# Altium PCB norbi_lm_#1.PcbDoc (part 2 of 5)
Units mm, origin at the board's own origin, x right, y up, seen from the top; angles counter-clockwise.
Board outline 96.19 x 90.47 mm, 6 copper layers (Top Layer, Power Layer, Signal Layer 1, GND Plane, Signal Layer 2, Bottom Layer), stack 1.48 mm thick; 437 components, 338 nets, 1855 pads, 1136 vias.
Unrouted connection lines stored in the file: 190.
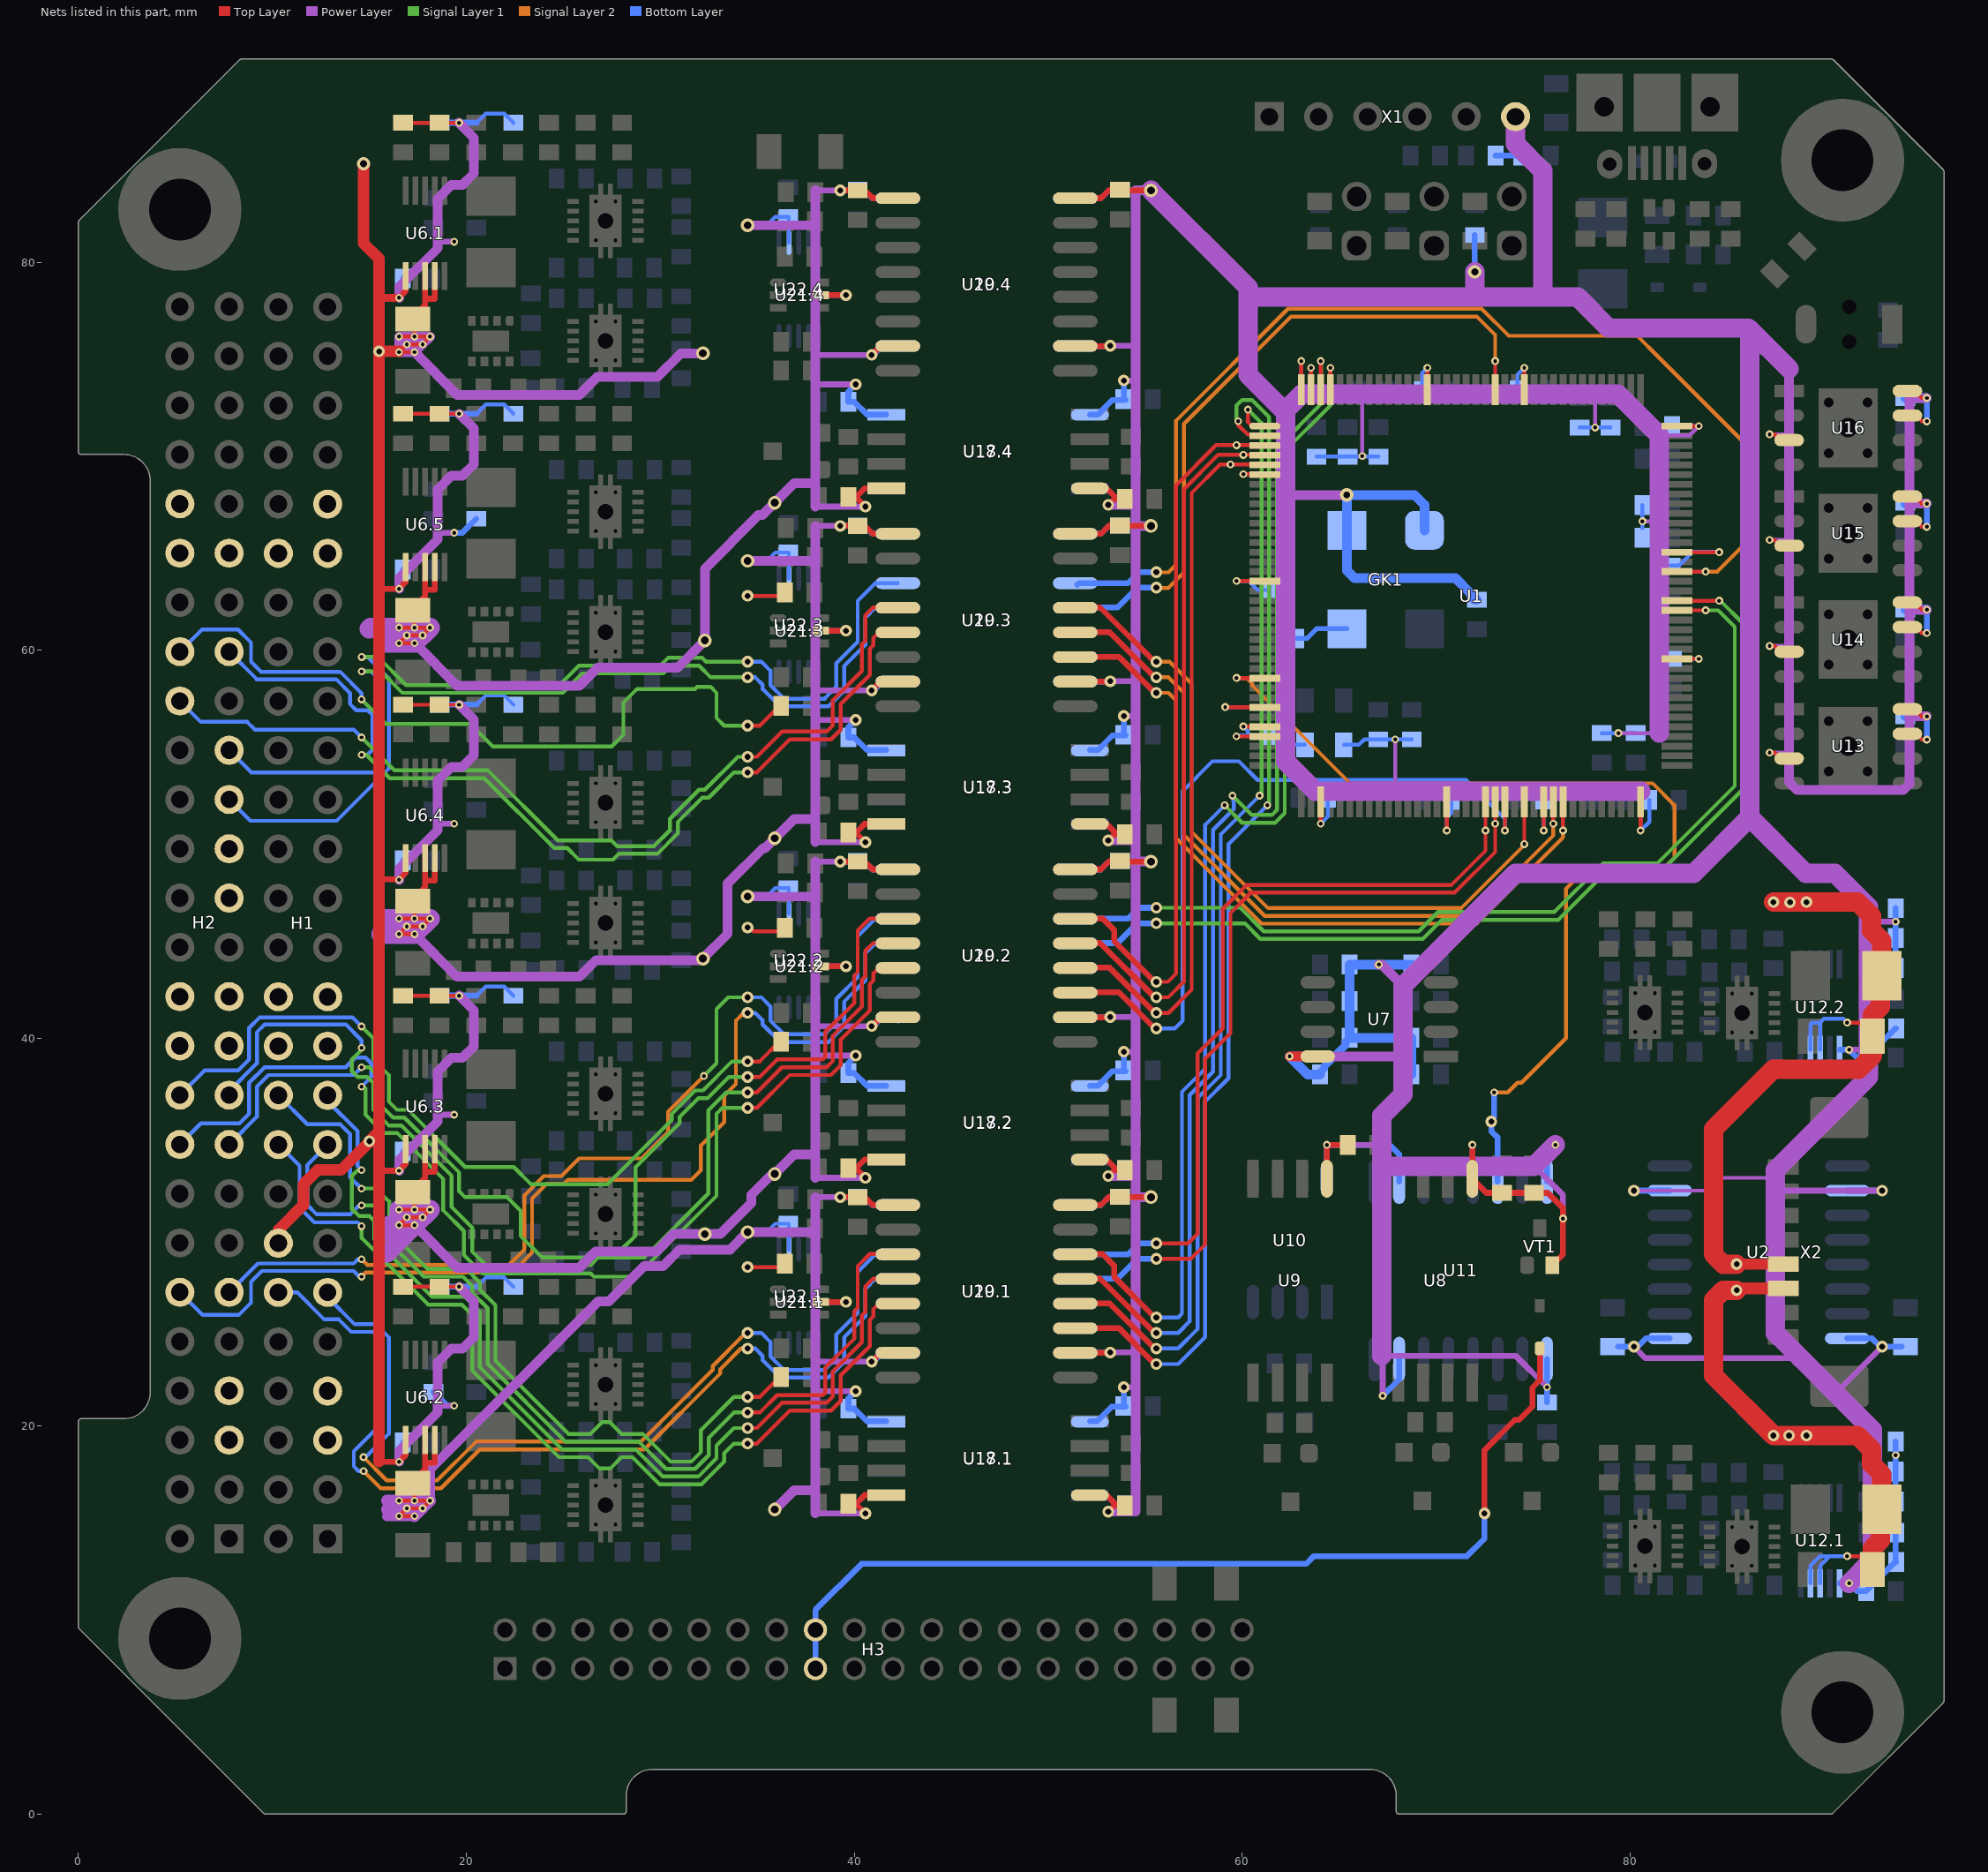
[diagram p6: the nets of this part, all layers, seen from the top]

## Footprints (in the part's own frame and the unit in brackets; to place one, negate y for a bottom-side part, rotate by r counter-clockwise, add the part's x,y. Pads: shape width x height; smd on the part's side, far side on the other; paste and mask are expansions set on the pad) (continued)
VSON-10 [mm] "VSON, 10-Leads, Body 3,00x3,00mm, Pitch 0,50mm, Thermal Pad 1,65x2,40mm"
  rect 0.6x0.25 smd: 1(0,0) 2(0,-0.5) 3(0,-1) 4(0,-1.5) 5(0,-2) 6(3.35,-2) 7(3.35,-1.5) 8(3.35,-1) 9(3.35,-0.5) 10(3.35,0)
  round 0.5 hole 0.2: TP(1.167,0) TP(1.167,-2) TP(2.183,0) TP(2.183,-2)
  rect 0.25x0.6 smd: TP(1.425,0.625) TP(1.425,-2.625) TP(1.925,0.625) TP(1.925,-2.625)
  round 1.2 hole 0.8: TP(1.675,-1)
  rect 1.65x2.7 smd: TP(1.675,-1)
  silkscreen extent -0.8,-2.7 3.37,0.7, body extent 0.12,-2.56 3.23,0.56, height 1
VSSOP-8 [mm] "Small Outline Package, 8-pin, 3x3mm, 1.1mm height"
  rrect50% 1.45x0.3 smd: 1(-2.2,1)
  rect 1.45x0.3 smd: 2(-2.2,0.5) 3(-2.2,0) 4(-2.2,-0.5) 5(-2.2,-1) 6(2.2,-1) 7(2.2,-0.5) 8(2.2,0) 9(2.2,0.5) 10(2.2,1)
  silkscreen extent -2.32,-1.55 1.15,1.83, body extent -2.45,-1.55 2.45,1.55, height 1.1

## Part data
C1 C2 C3 C4 C5 C6 C7 C8 C9 C10 C11 C12 C13 C14 C15 C16 C17 C18 C19 C20 C21.1 C21.2 C21.3 C21.4 C21.5 C22.1 C22.2 C22.3 C22.4 C22.5 C23.1 C23.2 C23.3 C23.4 C23.5 C24.1 C24.2 C24.3 C24.4 C24.5 C25.1 C25.2 C25.3 C25.4 C25.5 C26.1 C26.2 C26.3 C26.4 C26.5 C28.1 C28.2 C28.3 C28.4 C28.5 C29.1 C29.2 C29.3 C29.4 C29.5 C30 C31 C32 C33 C34 C35 C36 C37 C38.1 C38.2 C39.1 C39.2 C40.1 C40.2 C41.1 C41.2 C42.1 C42.2 C44.1 C44.2 C45 C46 C47 C48 C49.1 C49.2 C49.3 C49.4 C50.1 C50.2 C50.3 C50.4 C51.1 C51.2 C51.3 C51.4 C52.1 C52.2 C52.3 C52.4 C53.1 C53.2 C53.3 C53.4 C54.1 C54.2 C54.3 C54.4 C55.1 C55.2 C55.3 C55.4 C56.1 C56.2 C56.3 C56.4 C57.1 C57.2 C57.3 C57.4 C59 C60 C61 C62: library part C_smd, "Конденсатор для поверхностного монтажа", Назначение=Чип-конденсатор, Наименование="К10-79 МП0 «ВП»", Потребление, Вт=0
C27.1 C27.2 C27.3 C27.4 C27.5 C43.1 C43.2 C58: library part C_pol_smd, "Поляризованный конеднсатор для поверхностного монтажа", Назначение="Поляризованный чип-конденсатор", Наименование="К53-68 «ВП»", Потребление, Вт=0
D4 D5: library part PESD5V0S, "Low capacitance bidirectional ESD protection diodes", Назначение="ESD защитные диоды", Наименование=PESD5V0S1BA, Потребление, Вт=0,000
GK1: library part "Crystall Oscillator", Назначение="Кварцевый генератор 7x5мм 20 МГц", Наименование=VCC1-B3B-10M, Потребление, Вт=0,01
H1 H2: "Elevated socket, dual-row, 26-pin per row", Назначение="Сквозной разъем, двойно, 52 контакта, шаг 2,54 мм", Наименование=ESQ-126-39-G-D, Потребление, Вт=0,00
H3: library part HDR2X20, "Header, 20-Pin, Dual row, Right Angle", Назначение="Header, 20-Pin, Dual row, Right Angle", Наименование=PLD2-40, Потребление, Вт=0,0
L1 L2 L3 L5: library part L_smd, "Индуктивность для поверхностнгого монтажа", Назначение=Чип-индуктивность, Наименование=Индуктивность, Потребление, Вт=0,010
L4: library part ACM2012_USB_CM_FILTER, "USB common mode filter", Назначение="Связанная индуктивность", Наименование=ACM2012-900-2P, Потребление, Вт=0,001
R0 R1 R2 R3 R4 R5 R6 R7 R8 R9 R10 R11 R12 R13 R14 R15 R16 R17 R18 R19 R21.1 R21.2 R21.3 R21.4 R21.5 R22.1 R22.2 R22.3 R22.4 R22.5 R23.1 R23.2 R23.3 R23.4 R23.5 R24.1 R24.2 R24.3 R24.4 R24.5 R25.1 R25.2 R25.3 R25.4 R25.5 R26.1 R26.2 R26.3 R26.4 R26.5 R27.1 R27.2 R27.3 R27.4 R27.5 R28.1 R28.2 R28.3 R28.4 R28.5 R29.1 R29.2 R29.3 R29.4 R29.5 R30.1 R30.2 R30.3 R30.4 R30.5 R31.1 R31.2 R31.3 R31.4 R31.5 R32.1 R32.2 R32.3 R32.4 R32.5 R33.1 R33.2 R33.3 R33.4 R33.5 R34.1 R34.2 R34.3 R34.4 R34.5 R35.1 R35.2 R35.3 R35.4 R35.5 R36.1 R36.2 R36.3 R36.4 R36.5 R37.1 R37.2 R37.3 R37.4 R37.5 R38.1 R38.2 R38.3 R38.4 R38.5 R39.1 R39.2 R39.3 R39.4 R39.5 R40.1 R40.2 R40.3 R40.4 R40.5 R41.1 R41.2 R41.3 R41.4 R41.5 R42.1 R42.2 R42.3 R42.4 R42.5 R43 R44 R45 R46 R47 R48 R49 R50 R51 R52 R53.1 R53.2 R54.1 R54.2 R55.1 R55.2 R56.1 R56.2 R57.1 R57.2 R58.1 R58.2 R59.1 R59.2 R60.1 R60.2 R61.1 R61.2 R62.1 R62.2 R63.1 R63.2 R64.1 R64.2 R65.1 R65.2 R66.1 R66.2 R67.1 R67.2 R68.1 R68.2 R68.3 R68.4 R69.1 R69.2 R69.3 R69.4 R70.1 R70.2 R70.3 R70.4 R71.1 R71.2 R71.3 R71.4 R72.1 R72.2 R72.3 R72.4 R73.1 R73.2 R73.3 R73.4 R74.1 R74.2 R74.3 R74.4 R75.1 R75.2 R75.3 R75.4 R76.1 R76.2 R76.3 R76.4 R77.1 R77.2 R77.3 R77.4 R78 R79: library part R_smd, "Резистор для поверхностного монтажа", Потребление, Вт=0,001
  R0 R1 R2 R3 R4 R5 R6 R7 R8 R9 R10 R11 R12 R13 R14 R15 R16 R17 R18 R19 R21.1 R21.2 R21.3 R21.4 R21.5 R22.1 R22.2 R22.3 R22.4 R22.5 R23.1 R23.2 R23.3 R23.4 R23.5 R24.1 R24.2 R24.3 R24.4 R24.5 R25.1 R25.2 R25.3 R25.4 R25.5 R26.1 R26.2 R26.3 R26.4 R26.5 R27.1 R27.2 R27.3 R27.4 R27.5 R28.1 R28.2 R28.3 R28.4 R28.5 R29.1 R29.2 R29.3 R29.4 R29.5 R31.1 R31.2 R31.3 R31.4 R31.5 R32.1 R32.2 R32.3 R32.4 R32.5 R33.1 R33.2 R33.3 R33.4 R33.5 R34.1 R34.2 R34.3 R34.4 R34.5 R35.1 R35.2 R35.3 R35.4 R35.5 R36.1 R36.2 R36.3 R36.4 R36.5 R37.1 R37.2 R37.3 R37.4 R37.5 R38.1 R38.2 R38.3 R38.4 R38.5 R39.1 R39.2 R39.3 R39.4 R39.5 R40.1 R40.2 R40.3 R40.4 R40.5 R41.1 R41.2 R41.3 R41.4 R41.5 R42.1 R42.2 R42.3 R42.4 R42.5 R43 R44 R45 R46 R47 R48 R49 R50 R51 R52 R53.1 R53.2 R54.1 R54.2 R55.1 R55.2 R56.1 R56.2 R57.1 R57.2 R58.1 R58.2 R59.1 R59.2 R60.1 R60.2 R62.1 R62.2 R63.1 R63.2 R64.1 R64.2 R65.1 R65.2 R66.1 R66.2 R67.1 R67.2 R68.1 R68.2 R68.3 R68.4 R69.1 R69.2 R69.3 R69.4 R70.1 R70.2 R70.3 R70.4 R71.1 R71.2 R71.3 R71.4 R72.1 R72.2 R72.3 R72.4 R73.1 R73.2 R73.3 R73.4 R74.1 R74.2 R74.3 R74.4 R75.1 R75.2 R75.3 R75.4 R76.1 R76.2 R76.3 R76.4 R77.1 R77.2 R77.3 R77.4 R78 R79: Назначение=Чип-резистор, Наименование="Р1-12-0.125 ОСМ"
  R30.1 R30.2 R30.3 R30.4 R30.5 R61.1 R61.2: Назначение="Чип-резистор токоизмерительный", Наименование=PE1206DRM470R015L
SW1: library part Push_Button, Назначение="Push button", Наименование=TVAF06, Потребление, Вт=0,001
U1: library part STM32F405ZGT, "ARM Cortex-M4 32-bit MCU+FPU, 210 DMIPS, 1024 kB Flash, 192 kB Internal RAM, 114 I/Os, 144-pin LQFP, -40 to 105 degC, Tray", ComponentLink1Description=Datasheet, ComponentLink1URL=http://www.st.com/st-web-ui/static/active/en/resource/technical/document/datasheet/DM00037051.pdf, Назначение="ARM Cortex-M4 32-bit MCU+FPU", Наименование=STM32F405ZGT7
U2 U11 U19.1 U19.2 U19.3 U19.4 U20.1 U20.2 U20.3 U20.4: "Quad Channel Digital Isolator, 2.5 KV rms Insulation Rating", Назначение="4-канальный цифровой изолятор", Потребление, Вт=0,025
  U2 U11: Наименование=ADuM1402
  U19.1 U19.2 U19.3 U19.4 U20.1 U20.2 U20.3 U20.4: Наименование=ADuM1400
U3.1 U3.2 U3.3 U3.4 U3.5 U4.1 U4.2 U4.3 U4.4 U4.5 U23.1 U23.2 U24.1 U24.2: library part TPS259261, "Simple 5-V/12-V eFuse Protection Switches", ComponentLink1Description=Datasheet, ComponentLink1URL=http://www.ti.com/lit/ds/symlink/tps25925.pdf, Назначение="Simple 5-V/12-V eFuse Protection Switches", Наименование=TPS259261DR, Потребление, Вт=0,001
U5.1 U5.2 U5.3 U5.4 U5.5: "17-V Input 3-A Step-Down Converter MicroSiP™ Module with Integrated Inductor", ComponentLink1Description="Data sheet", ComponentLink1URL=http://www.ti.com/lit/ds/symlink/tps82130.pdf, Назначение="17-V Input 3-A Step-Down Converter MicroSiP™ Module with Integrated Inductor", Наименование=TPS82130, Потребление, Вт=1,0
U6.1 U6.2 U6.3 U6.4 U6.5: "High- or Low-Side Measurement, Bidirectional Current and Power Monitor With I2C Interface", ComponentLink1Description="Data sheet", ComponentLink1URL=http://www.ti.com/lit/ds/symlink/ina226.pdf, Назначение="High-Side or Low-Side Measurement,", Наименование=INA226, Потребление, Вт=0,001
U7: "TMP1075 Temperature Sensor With I2C and SMBus Interface", ComponentLink1Description=Datasheet, ComponentLink1URL=http://www.ti.com/lit/ds/symlink/tmp1075.pdf, Назначение="Датчик температуры I2C", Наименование=TMP1075DR, Потребление, Вт=0,001
U8 U9 U17.1 U17.2 U17.3 U17.4 U18.1 U18.2 U18.3 U18.4: "Isolated CAN Transceiver", Назначение="Изолированный CAN приемник", Наименование=ISO1042DWV, Потребление, Вт=0,001
U10: library part ISO154x, "Low-Power Bidirectional I2C Isolators", Назначение="Low-Power Bidirectional I2C Isolators", Наименование=ISO1540D, Потребление, Вт=0,001
U12.1 U12.2: library part INA226, "High- or Low-Side Measurement, Bidirectional Current and Power Monitor With I2C Interface", ComponentLink1Description="Data sheet", ComponentLink1URL=http://www.ti.com/lit/ds/symlink/ina226.pdf, Назначение="High-Side or Low-Side Measurement,", Наименование=INA226, Потребление, Вт=0,001
U13 U14 U15 U16: library part FM25V, "2Mb Serial 3V FRAM Memory", ComponentLink1Description=Datasheet, ComponentLink1URL=https://www.cypress.com/file/136456/download, Назначение="2Mb Serial 3V FRAM Memory", Наименование=FM25V20, Потребление, Вт=0,009
U21.1 U21.2 U21.3 U21.4: library part NC7SZ57, "Universal Configurable 2-Input / Logic Gates", Назначение="Universal Configurable 2-Input", Наименование=NC7SZ57P6X, Потребление, Вт=0,001
U22.1 U22.2 U22.3 U22.4: library part ADCMP395, "Dual Comparators with Accurate Reference Output", ComponentLink1Description=Datasheet, ComponentLink1URL=https://www.analog.com/en/products/adcmp395.html, Назначение="Dual Comparators with Accurate Reference Output", Наименование=ADCMP395ARMZ, Потребление, Вт=0,001
V1 V2 V3.1 V3.2 V3.3 V3.4 V4.1 V4.2 V4.3 V4.4: "CAN bus ESD protection diode", Назначение="Защитная диодная сборка CAN-шины от ЭСР", Наименование=PESD2CAN, Потребление, Вт=0,001
VD1: library part BAT60A, "Diod 150 mA 100V", Назначение="Диод 150мА 100В", Наименование=1N4148WS, Потребление, Вт=0,001
VD2: library part BAT60A, "Schottky diode", Назначение="Schottky diode", Наименование=MBR0540, Потребление, Вт=0,001
VT1: "Digital Transistor (resistor-equipped transistors), R1=R2=2k, PNP Transistor, 3-Pin SC-70", ComponentLink1Description=Datasheet, ComponentLink1URL=https://assets.nexperia.com/documents/data-sheet/PDTC114E_SER.pdf, Назначение="Resistor-equipped transistors, R1=R2=2k, PNP Transistor, 3-Pin SC-70", Наименование=PDTA123JU, Потребление, Вт=0,001
VT2: "Digital Transistor (BRT), R1=4.7 kOhm, R2=47 kOhm, NPN Transistor, 3-Pin", ComponentLink1Description=Datasheet, ComponentLink1URL=https://assets.nexperia.com/documents/data-sheet/PDTC114E_SER.pdf, Назначение="Digital Transistor (BRT), R1=4.7 kOhm, R2=47 kOhm, NPN Transistor, 3-Pin", Наименование=PDTC143ZT, Потребление, Вт=0,001
X1: "Header, 6-Pin", LatestRevisionDate=17-Jul-2002, LatestRevisionNote="Re-released for DXP Platform.", Publisher="Altium Limited", Назначение="Отладочный разъем", Наименование=PLS-6
X2: "MOLEX PicoBlade 8-pin", Назначение="MOLEX PicoBlade 8-pin to board", Наименование=MOLEX-PB-8-R, Потребление, Вт=0,001
X3: library part MicroUSB, "USB mico-BF", Назначение="Разъем на плату", Наименование=Micro-BF
D1 D2 D3: Назначение=Светодиод, Наименование=SMD-LED, Потребление, Вт=0,01

## Free pads (board coordinates)
  round 6.35 hole 3.18: 1(5.23,9.055) 1(5.23,82.715) 1(90.96,5.245) 1(90.96,85.255)

## Via types
v1: diameter 0.4, hole 0.2, Top Layer to Bottom Layer, tented both sides, 743 vias
v2: diameter 0.6, hole 0.3, Top Layer to Bottom Layer, 343 vias
v3: diameter 0.7, hole 0.4, Top Layer to Bottom Layer, 16 vias
v4: diameter 0.5, hole 0.2, Top Layer to Bottom Layer, 10 vias
v5: diameter 0.7, hole 0.35, Top Layer to Bottom Layer, 7 vias
v6: diameter 1.1, hole 0.8, Top Layer to Bottom Layer, 5 vias
v7: diameter 1.3, hole 0.85, Top Layer to Bottom Layer, 4 vias
v8: diameter 1, hole 0.7, Top Layer to Bottom Layer, 2 vias
v9: diameter 0.5, hole 0.3, Top Layer to Bottom Layer, 2 vias
v10: diameter 4.5, hole 3, Top Layer to Bottom Layer, 2 vias
v11: diameter 0.6, hole 0.4, Top Layer to Bottom Layer, 1 vias
v12: diameter 1.2, hole 0.8, Top Layer to Bottom Layer, 1 vias

## Nets (pads, with @x,y where several pads share a name; then routed paths per layer and width w, separated by ;. In a path a pad name is that pad's centre, name@x,y a point inside that pad or via, vN(x,y) a via of type N, cw(c..) or ccw(c..) an arc to the next point about the centre after c; other vN are vias at no path point)
3V3: C4.2 C5.2 C6.2 C7.2 C9.2 C10.2 C11.2 C12.2 C13.2 C14.2 C15.2 C16.2 C17.2 C18.2 C19.2 C20.2 C29.1.2 C29.2.2 C29.3.2 C29.4.2 C29.5.2 C30.2 C32.2 C33.2 C36.2 C37.2 C44.1.2 C44.2.2 C45.2 C46.2 C47.2 C48.2 C49.1.2 C49.2.2 C49.3.2 C49.4.2 C50.1.2 C50.2.2 C50.3.2 C50.4.2 C53.1.2 C53.2.2 C53.3.2 C53.4.2 C56.1.2 C56.2.2 C56.3.2 C56.4.2 GK1.1 GK1.4 H1.14 L1.1 R5.1 R6.1 R8.2 R9.1 R10.1 R11.1 R12.1 R13.1 R14.1 R15.1 R16.1 R30.1.1 R34.1.2 R34.2.2 R34.3.2 R34.4.2 R34.5.2 R35.1.2 R35.2.2 R35.3.2 R35.4.2 R35.5.2 R36.1.2 R36.2.2 R36.3.2 R36.4.2 R36.5.2 R39.2.1 R40.5.1 R41.1.2 R41.2.2 R41.3.2 R41.4.2 R41.5.2 R43.2 R44.2 R45.2 R46.1 R48.1 R49.1 R62.1.2 R62.2.2 R63.1.2 R63.2.2 R64.1.2 R64.2.2 R66.1.1 R67.1.1 R67.2.1 R69.1.1 R69.2.1 R69.3.1 R69.4.1 U1.6 U1.17 U1.30 U1.39 U1.52 U1.62 U1.72 U1.84 U1.95 U1.108 U1.121 U1.131 U1.143 U1.144 U2.1 U2.7 U2.10 U2.16 U6.1.6 U6.1.8 U6.1.9 U6.2.6 U6.3.6 U6.4.6 U6.5.6 U7.8 U8.1 U9.1 U10.8 U11.1 U11.7 U11.10 U11.16 U12.1.6 U12.2.6 U13.3 U13.7 U13.8 U14.3 U14.7 U14.8 U15.3 U15.7 U15.8 U16.3 U16.7 U16.8 U17.1.1 U17.2.1 U17.3.1 U17.4.1 U18.1.1 U18.2.1 U18.3.1 U18.4.1 U19.1.1 U19.1.7 U19.2.1 U19.2.7 U19.3.1 U19.3.7 U19.4.1 U19.4.7 U20.1.10 U20.1.16 U20.2.10 U20.2.16 U20.3.10 U20.3.16 U20.4.10 U20.4.16 VT1.2 X1.6 | length 948.4
  Top Layer w0.2: v1(16.532,76.161) v1(17.332,76.161) ; R34.2.2@16.732,27.185 R35.2.2@18.615,27.185 v1(19.632,27.185) ; R34.3.2@16.732,42.185 R35.3.2@18.615,42.185 v1(19.632,42.185) ; R34.4.2@16.732,57.185 R35.4.2@18.615,57.185 v1(19.632,57.185) ; R34.5.2@16.732,72.185 R35.5.2@18.615,72.185 v1(19.632,72.185) ; R34.1.2@16.732,87.185 R35.1.2@18.615,87.185 v1(19.632,87.185) ; v1(17.332,75.361) v1(16.532,75.361) v1(16.932,75.761) 17.732,75.761 v1(18.132,76.161) v1(17.332,76.161) ; R30.1.1@17.478,77.012 17.332,76.865 v1(17.332,76.161) ; v1(59.126,57.066) U1.30@61.191,57.066 ; v1(59.716,63.566) U1.17@61.191,63.566 ; v1(60.066,69.066) 61.229,69.066 U1.6@61.241,69.077 ; U1.144@63.05,73.425 v1(63.05,74.9) ; U1.143@63.55,73.425 v1(63.55,74.55) ; v1(64.05,51.05) U1.39@64.05,52.175 ; U1.131@69.55,73.425 v1(69.55,74.55) ; v1(70.55,50.7) U1.52@70.55,52.175 ; U1.121@74.55,73.425 v1(74.55,74.55) ; v1(75.55,50.7) U1.62@75.55,52.175 ; v1(80.55,50.7) U1.72@80.55,52.175 ; U1.84@82.425,59.55 v1(83.55,59.55) ; U1.95@82.425,65.05 v1(84.6,65.05) ; U1.108@82.425,71.55 v1(83.55,71.55) ; v1(87.2,54.715) 87.459,54.715 87.759,54.415 U13.3@88.204,54.415 ; v1(87.2,60.215) 87.459,60.215 87.759,59.915 U14.3@88.204,59.915 ; v1(87.2,65.685) 87.459,65.685 87.759,65.385 U15.3@88.204,65.385 ; v1(87.2,71.125) 87.459,71.125 87.759,70.825 U16.3@88.204,70.825 ; U13.7@94.3,55.685 94.744,55.685 95.045,55.385 v1(95.304,55.385) ; U13.8@94.3,56.955 94.674,56.955 95.044,56.585 v1(95.304,56.585) ; U14.7@94.3,61.185 94.744,61.185 95.045,60.885 v1(95.304,60.885) ; U14.8@94.3,62.455 94.674,62.455 95.044,62.085 v1(95.304,62.085) ; U15.7@94.3,66.655 94.744,66.655 95.045,66.355 v1(95.304,66.355) ; U15.8@94.3,67.925 94.674,67.925 95.044,67.555 v1(95.304,67.555) ; U16.7@94.3,72.095 94.744,72.095 95.045,71.795 v1(95.304,71.795) ; U16.8@94.3,73.365 94.674,73.365 95.044,72.995 v1(95.304,72.995)
  Top Layer w0.3: 15.5,18.182 15.521,18.161 v1(16.532,18.161) 16.878,18.507 U6.2.6@16.878,19.282 ; 15.521,33.161 v1(16.532,33.161) 16.532,33.182 16.878,33.528 U6.3.6@16.878,34.282 ; 15.521,48.182 v1@16.532,48.182 ; 15.521,63.161 v1(16.532,63.161) 16.532,63.182 16.878,63.528 U6.5.6@16.878,64.282 ; v1(16.532,48.161) v1@16.532,48.182 ; v1(16.532,78.161) 16.532,78.182 16.878,78.528 U6.1.6@16.878,79.282 ; U6.4.6@16.878,49.282 16.878,48.528 v1@16.532,48.182 ; R30.1.1@17.878,77.412 17.478,77.012 17.478,77.391 17.878,77.792 17.878,78.112 ; U6.1.8@17.878,79.282 17.878,78.112 ; U6.1.9@18.378,79.282 18.378,78.112 17.878,78.112 ; U20.1.10@51.5,23.773 v2@53.2,23.773 ; U20.2.10@51.5,41.073 v2@53.2,41.073 ; U20.3.10@51.5,58.373 v2@53.2,58.373 ; U20.4.10@51.5,75.673 v2@53.2,75.673 ; U20.1.16@51.61,31.4 52.726,31.4 53.15,31.824 C53.1.2@53.7,31.824 C53.1.2@53.924,31.824 ; U20.2.16@51.61,48.7 52.726,48.7 53.15,49.124 C53.2.2@53.7,49.124 C53.2.2@53.924,49.124 ; U20.3.16@51.61,66 52.726,66 53.15,66.424 C53.3.2@53.7,66.424 C53.3.2@53.924,66.424 ; U20.4.16@51.61,83.3 52.726,83.3 53.15,83.724 C53.4.2@53.7,83.724 C53.4.2@53.924,83.724 ; U18.1.1@52.15,16.44 53.013,16.44 C49.1.2@53.553,15.9 ; U18.2.1@52.15,33.74 53.013,33.74 C49.2.2@53.553,33.2 ; U18.3.1@52.15,51.04 53.013,51.04 C49.3.2@53.553,50.5 ; U18.4.1@52.15,68.34 53.013,68.34 C49.4.2@53.553,67.8 ; v2(53.1,15.59) 53.41,15.9 C49.1.2@53.553,15.9 ; v2(53.1,32.89) 53.41,33.2 C49.2.2@53.553,33.2 ; v2(53.1,50.19) 53.41,50.5 C49.3.2@53.553,50.5 ; v2(53.1,67.49) 53.41,67.8 C49.4.2@53.553,67.8 ; C49.1.2@54,15.9 C49.1.2@53.553,15.9 ; C49.2.2@54,33.2 C49.2.2@53.553,33.2 ; C49.3.2@54,50.5 C49.3.2@53.553,50.5 ; C49.4.2@54,67.8 C49.4.2@53.553,67.8 ; C53.1.2@54.052,31.8 v3(55.3,31.8) ; C53.2.2@54.052,49.1 v3(55.3,49.1) ; C53.3.2@54.052,66.4 v3(55.3,66.4) ; C53.4.2@54.052,83.7 v3(55.3,83.7) ; U9.1@64.37,32.75 v1(64.37,34.5) C32.2@65.45,34.5 ; v1(71.87,34.5) U8.1@71.87,32.75 72.594,32.026 C33.2@73.4,32.026 C36.2@75.05,32.026 75.75,32.026 76.55,31.226 v1(76.55,30.7) 76.55,28.85 VT1.2@76,28.3
  Top Layer w0.4: 15.521,78.161 v1(16.532,78.161)
  Top Layer w0.5: v1(62.45,39.06) U7.8@63.9,39.06
  Top Layer w0.6: H1.14@10.31,29.43 10.31,30.11 11.6,31.4 11.6,32.46 12.347,33.207 13.546,33.207 15,34.661 v2(15,34.688) 15.5,35.188 ; v5(14.7,85.075) 14.7,80.974 15.5,80.174 v2(15.5,75.4) ; 15.5,18.182 15.5,35.188 ; v1@16.532,75.4 v2(15.5,75.4) ; 15.5,35.188 v2(15.5,75.4)
  Power Layer w0.2: v2(15.5,75.4) v2@15.539,75.361 ; v1(59.126,57.066) 62.216,57.066 62.25,57.1 ; v1(59.716,63.566) 62.216,63.566 62.25,63.6 ; v1(60.066,69.066) 62.184,69.066 62.25,69 ; v1(63.05,74.9) 63.05,73.222 63.072,73.2 ; v1(63.55,74.55) 63.55,73.25 63.6,73.2 ; 63.77,52.73 64.05,52.45 v1(64.05,51.05) ; v1(66.2,70) 66.2,73.2 ; 67.9,52.73 v1(67.9,55.4) ; 69.55,73.2 v1(69.55,74.55) ; 70.5,52.73 70.55,52.68 v1(70.55,50.7) ; 74.55,73.2 v1(74.55,74.55) ; 75.5,52.73 75.55,52.68 v1(75.55,50.7) ; 78.2,73.2 78.202,73.198 v1(78.202,71.476) ; v1(79.4,55.724) 81.515,55.724 ; v2(80.2,32.14) 84.14,32.14 84.8,32.8 87.1,32.8 ; v1(80.55,50.7) 80.55,52.73 ; v1(80.645,66.642) 81.473,66.642 81.515,66.6 ; 81.515,59.6 81.565,59.55 v1(83.55,59.55) ; 81.515,65 81.565,65.05 v1(84.6,65.05) ; 81.515,71.069 83.069,71.069 v1(83.55,71.55) ; v1(87.2,54.715) 88.185,54.715 88.2,54.7 ; v1(87.2,60.215) 88.185,60.215 88.2,60.2 ; v1(87.2,65.685) 88.185,65.685 88.2,65.7 ; v1(87.2,71.125) 88.175,71.125 88.2,71.1 ; 94.4,67.55 94.405,67.555
  Power Layer w0.3: 18.532,21.05 v1(19.378,21.05) ; 18.532,36.05 v1(19.378,36.05) ; 18.532,51.05 v1(19.378,51.05) ; 18.532,66.05 v1(19.378,66.05) ; 18.532,81.05 v1(19.378,81.05) ; v2(53.2,23.793) 54.493,23.793 54.5,23.8 ; v2(53.2,41.093) 54.493,41.093 54.5,41.1 ; v2(53.2,58.393) 54.493,58.393 54.5,58.4 ; v2(53.2,75.693) 54.493,75.693 54.5,75.7 ; v2(53.9,22) 54.5,22 ; v2(53.9,39.3) 54.5,39.3 ; v2(53.9,56.6) 54.5,56.6 ; v2(53.9,73.9) 54.5,73.9 ; v1(64.37,34.5) 67.2,34.5 ; v1(67.25,21.561) 67.25,23.575 67.2,23.625 74.095,23.625 v1(75.72,22) ; 71.87,33.4 v1(71.87,34.5) ; 75.055,33.4 76.55,31.905 v1(76.55,30.7) ; v2(80.2,24.1) 80.8,23.5 88.8,23.5 ; 87.1,32.8 87.5,33.2 ; 87.5,32.2 87.56,32.14 v2(93,32.14) ; 90.6,21.7 v2(93,24.1) ; v1(91.3,39.4) 92.3,39.4 ; 92.3,46 v1(93.7,46)
  Power Layer w0.5: v1(16.532,18.161) 16.532,18.718 18.532,20.718 18.532,21.05 18.532,23.285 19.232,23.985 19.799,23.985 20.399,24.585 20.399,26.418 v1(19.632,27.185) ; v1(16.532,33.161) 16.532,33.718 18.532,35.718 18.532,36.05 18.532,38.285 19.232,38.985 19.799,38.985 20.399,39.585 20.399,41.418 v1(19.632,42.185) ; v1(16.532,48.161) 16.532,48.718 18.532,50.718 18.532,51.05 18.532,53.285 19.232,53.985 19.799,53.985 20.399,54.585 20.399,56.418 v1(19.632,57.185) ; v1(16.532,63.161) 16.532,63.718 18.532,65.718 18.532,66.05 18.532,68.285 19.232,68.985 19.799,68.985 20.399,69.585 20.399,71.418 v1(19.632,72.185) ; v1(16.532,78.161) 16.532,78.718 18.532,80.718 18.532,81.05 18.532,83.285 19.232,83.985 19.799,83.985 20.399,84.585 20.399,86.4 v1@19.607,87.191 ; v1(17.749,75.761) v1@17.732,75.761 ; v3(32.2,75.3) 31.067,75.3 29.851,74.085 26.756,74.085 25.832,73.161 19.532,73.161 v1(17.332,75.361) ; v2(53.1,15.59) 54.5,15.59 54.5,22 54.5,23.8 54.5,31.8 ; v2(53.1,32.89) 54.5,32.89 ; v2(53.1,50.19) 54.5,50.19 ; v2(53.1,67.49) 54.5,67.49 ; v3(55.3,31.8) 54.5,31.8 ; v3(55.3,49.1) 54.5,49.1 ; v3(55.3,66.4) 54.5,66.4 ; v3(55.3,83.7) 54.5,83.7 54.5,75.7 54.5,73.9 54.5,67.49 ; 62.25,68 v5(65.4,68) ; v1(62.45,39.06) 68.26,39.06 68.3,39.1 ; v1(67.05,43.791) 67.209,43.791 68.3,42.7 ; 88.2,74.5 88.2,71.1 88.2,65.7 88.2,60.2 88.2,54.7 88.2,53.2 88.6,52.8 94.1,52.8 94.4,53.1 94.4,56.6 ; 94.405,67.555 v1(95.304,67.555) ; v1(95.304,56.585) 94.415,56.585 94.4,56.6 ; v1(95.304,62.085) 94.415,62.085 94.4,62.1 ; v1(95.304,72.995) 94.4,72.995 94.4,67.55 94.4,62.1 ; v1(16.532,76.161) v1(17.332,76.161) v1(18.132,76.161) v1@17.732,75.761 ; v1(16.532,76.161) v1(16.532,75.361) v1(17.332,75.361) ; v1(16.532,76.161) v1(16.932,75.761) v1@17.732,75.761 ; v1(17.332,75.361) v1@17.732,75.761 ; 54.5,31.8 54.5,32.89 ; 54.5,32.89 54.5,39.3 54.5,41.1 54.5,49.1 ; 54.5,49.1 54.5,50.19 ; 54.5,50.19 54.5,56.6 54.5,58.4 54.5,66.4 ; 54.5,66.4 54.5,67.49 ; 94.4,56.6 94.4,62.1
  Power Layer w1: v3(55.3,83.7) 60.3,78.7 60.3,78.2 ; 62.25,72.25 62.25,69 62.25,68 62.25,63.6 62.25,57.1 62.25,54.25 63.77,52.73 67.9,52.73 70.5,52.73 75.5,52.73 80.55,52.73 ; 67.2,23.625 67.2,33.4 ; v5(72,79.5) 72,78.2 ; X1.6@74.1,87.5 74.1,86.1 75.5,84.7 75.5,78.2 ; v1(76.155,34.5) 75.055,33.4 71.87,33.4 67.2,33.4 ; 81.515,55.724 81.515,59.6 81.515,65 81.515,66.6 81.515,71.069 79.384,73.2 78.2,73.2 74.55,73.2 69.55,73.2 66.2,73.2 63.6,73.2 63.072,73.2 62.186,72.314 60.3,74.2 60.3,78.2 ; 88.2,74.5 86.178,76.522 ; v1(91.3,11.9) 92.5,13.1 92.5,19.8 90.6,21.7 88.8,23.5 87.5,24.8 87.5,32.2 87.5,33.2 92.3,38 92.3,39.4 92.3,46 92.3,46.761 90.561,48.5 89.059,48.5 86.178,51.382 ; 60.3,78.2 72,78.2 ; 67.2,33.4 67.2,34.5 67.2,36 68.3,37.1 68.3,39.1 68.3,42.7 74.1,48.5 83.296,48.5 86.178,51.382 ; 72,78.2 75.5,78.2 ; 75.5,78.2 77.3,78.2 78.9,76.6 86.1,76.6 86.178,76.522 ; 86.178,51.382 86.178,76.522
  Bottom Layer w0.2: 20.532,27.191 21.001,27.661 21.956,27.661 R41.2.2@22.432,27.185 ; 20.532,42.191 21.001,42.661 21.956,42.661 R41.3.2@22.432,42.185 ; 20.532,57.191 21.001,57.661 21.956,57.661 R41.4.2@22.432,57.185 ; 20.532,72.191 21.001,72.661 21.956,72.661 R41.5.2@22.432,72.185 ; 20.532,87.191 21.001,87.661 21.956,87.661 R41.1.2@22.432,87.185 ; v1(59.716,63.566) 60.334,63.566 60.8,63.1 C14.2@61.4,63.1 ; R15.1@63.839,69.976 R5.1@67.039,69.976 ; v1(64.05,51.05) 64.424,51.424 C17.2@64.424,52.4 ; L1.1@65.245,55.12 66.02,55.12 66.3,55.4 C6.2@67.021,55.4 v1(67.9,55.4) C7.2@68.75,55.4 ; C16.2@69.276,73.35 69.276,74.276 v1(69.55,74.55) ; v1(70.55,50.7) 70.55,51.35 70.8,51.6 C18.2@70.8,52.278 ; C15.2@74.2,73.4 74.2,74.2 v1(74.55,74.55) ; C13.2@75.524,52.3 75.55,52.274 v1(75.55,50.7) ; R12.1@77.402,71.476 v1(78.202,71.476) R11.1@79.002,71.476 ; R13.1@78.55,55.724 v1(79.4,55.724) R14.1@80.3,55.724 ; v1(80.55,50.7) 80.996,51.146 C12.2@80.996,52.278 ; R9.1@80.645,66.3 v1(80.645,66.642) R10.1@80.645,67.483 ; C10.2@82.1,64.361 82.531,64.361 83.237,65.066 84.584,65.066 v1(84.6,65.05) ; C11.2@82.169,59.55 v1(83.55,59.55) ; C9.2@82.169,71.55 v1(83.55,71.55)
  Bottom Layer w0.3: v1(16.532,18.161) 16.732,18.361 C29.2.2@16.732,19.161 ; v1(16.532,33.161) 16.732,33.361 C29.3.2@16.732,34.161 ; v1(16.532,48.161) 16.732,48.361 C29.4.2@16.732,49.161 ; v1(16.532,63.161) 16.732,63.361 C29.5.2@16.732,64.161 ; v1(16.532,78.161) 16.732,78.361 C29.1.2@16.732,79.161 ; R39.2.1@18.299,21.771 19.019,21.05 v1(19.378,21.05) ; R36.2.2@18.683,27.191 20.532,27.191 ; R36.3.2@18.683,42.191 20.532,42.191 ; R36.4.2@18.683,57.191 20.532,57.191 ; R36.5.2@18.683,72.191 20.532,72.191 ; R36.1.2@18.683,87.191 20.532,87.191 ; v1(19.378,66.05) 19.797,66.05 R40.5.1@20.517,66.771 ; U19.1.7@51.4,23.775 53.182,23.775 v2(53.2,23.793) ; U19.1.1@51.4,31.395 52.72,31.395 53.125,31.8 v3(55.3,31.8) ; U19.2.7@51.4,41.075 53.182,41.075 v2(53.2,41.093) ; U19.2.1@51.4,48.695 52.72,48.695 53.125,49.1 v3(55.3,49.1) ; U19.3.7@51.4,58.375 53.182,58.375 v2(53.2,58.393) ; U19.3.1@51.4,65.995 52.72,65.995 53.125,66.4 v3(55.3,66.4) ; U19.4.7@51.4,75.675 53.182,75.675 v2(53.2,75.693) ; U19.4.1@51.4,83.295 52.72,83.295 53.125,83.7 v3(55.3,83.7) ; U17.1.1@52.15,20.25 52.525,20.25 53.275,21 C50.1.2@54,21 ; U17.2.1@52.15,37.55 52.57,37.55 53.32,38.3 C50.2.2@54,38.3 ; U17.3.1@52.15,54.85 52.57,54.85 53.32,55.6 C50.3.2@54,55.6 ; U17.4.1@52.15,72.15 52.57,72.15 53.32,72.9 C50.4.2@54,72.9 ; v2(53.1,15.59) 53.954,15.59 54,15.636 R69.1.1@54,15.9 ; v2(53.1,32.89) 53.954,32.89 54,32.936 R69.2.1@54,33.2 ; v2(53.1,50.19) 53.954,50.19 54,50.236 R69.3.1@54,50.5 ; v2(53.1,67.49) 53.954,67.49 54,67.536 R69.4.1@54,67.8 ; C50.1.2@53.878,21.038 53.9,21.06 v2(53.9,22) ; C50.2.2@53.878,38.338 53.9,38.36 v2(53.9,39.3) ; C50.3.2@53.878,55.638 53.9,55.66 v2(53.9,56.6) ; C50.4.2@53.878,72.938 53.9,72.96 v2(53.9,73.9) ; U10.8@64.37,32.75 v1(64.37,34.5) 67.604,34.5 68.1,34.004 U11.10@68.1,32.6 ; v1(67.25,21.561) 68.1,22.411 U11.7@68.1,23.45 ; v5(72,79.5) R16.1@72,81.4 ; R8.2@73.074,85.5 C5.2@74.4,85.5 74.4,86.3 74.249,86.451 74.249,87.351 X1.6@74.1,87.5 ; C37.2@75.72,21.224 v1(75.72,22) U11.1@75.72,23.45 ; U11.16@75.72,32.6 75.72,34.065 v1(76.155,34.5) ; C20.2@79.395,24.1 v2(80.2,24.1) 80.4,24.1 80.82,24.52 U2.1@82.05,24.52 ; v2@80.25,32.14 U2.7@82.05,32.14 ; U12.1.6@90.8,11.9 v1(91.3,11.9) 91.7,11.5 C44.1.2@92.176,11.5 93.676,13 R67.1.1@93.724,13 93.7,13.024 R63.1.2@93.7,16.113 R62.1.2@93.7,17.656 v1(93.7,18.5) R64.1.2@93.7,19.2 ; U12.2.6@90.8,39.4 v1(91.3,39.4) 91.7,39 C44.2.2@92.176,39 93.676,40.5 R67.2.1@93.724,40.5 ; U2.16@91.2,24.52 92.48,24.52 92.9,24.1 v2(93,24.1) C19.2@94,24.1 ; U2.10@91.2,32.14 v2(93,32.14) ; R63.2.2@93.7,43.613 R62.2.2@93.7,45.156 v1(93.7,46) R64.2.2@93.7,46.7 ; v1(95.304,55.385) v1(95.304,56.585) ; v1(95.304,60.885) v1(95.304,62.085) ; v1(95.304,66.355) v1(95.304,67.555) ; v1(95.304,71.795) v1(95.304,72.995)